# Altium PCB AutoinformerPCB.PcbDoc (part 2 of 3) (continued)
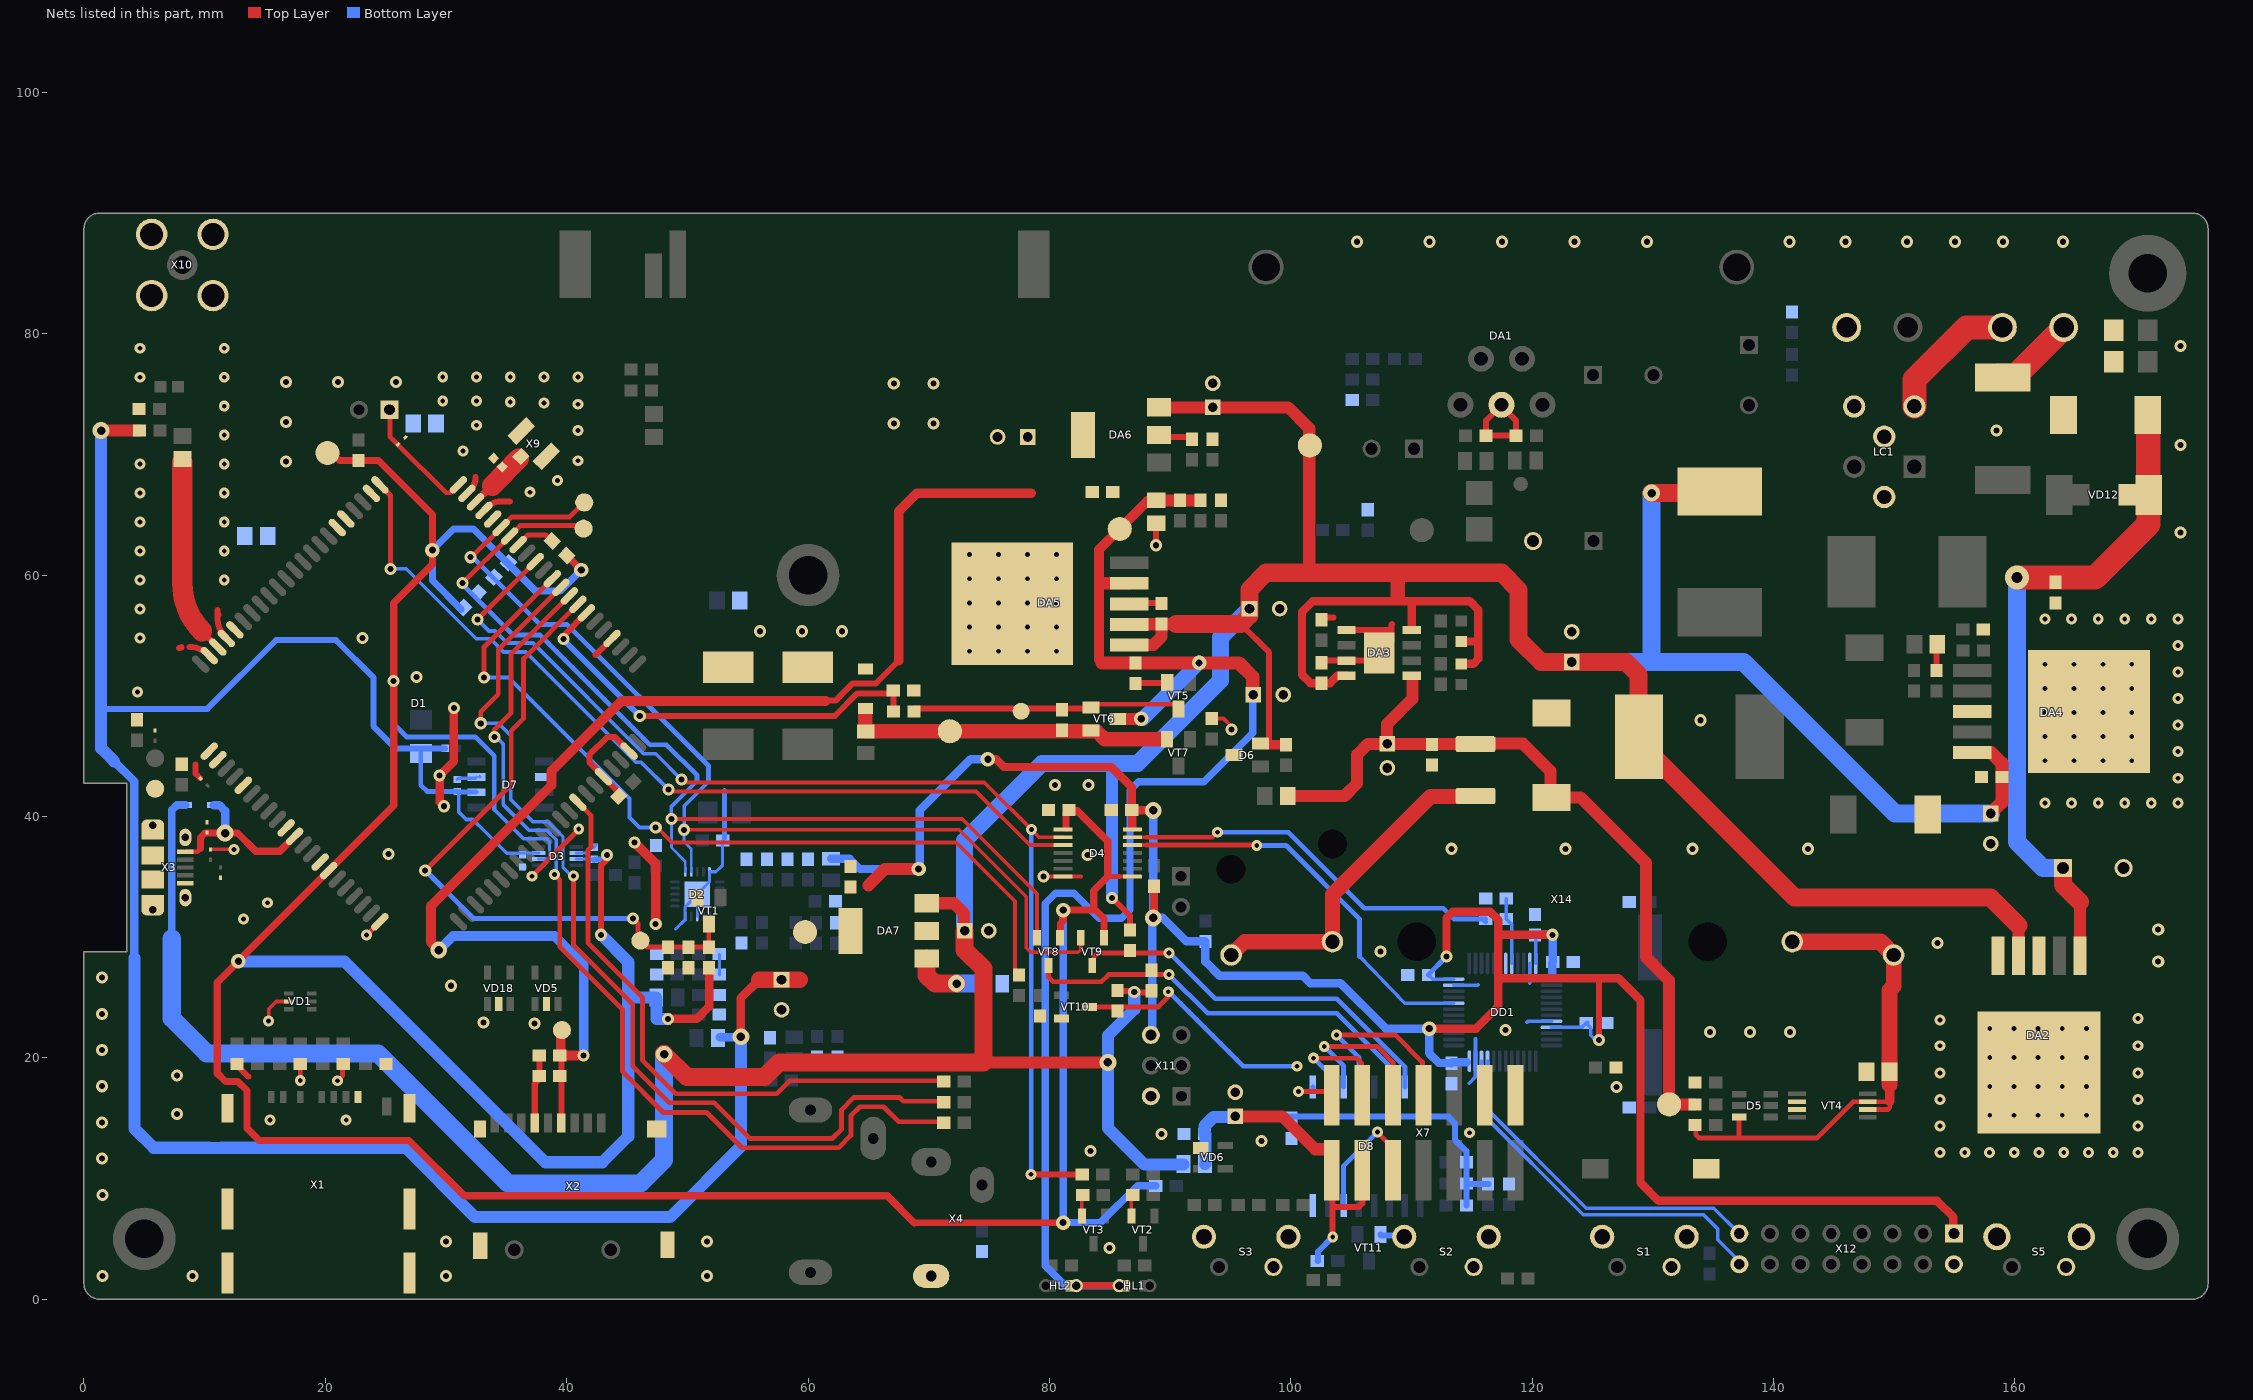
[diagram p2: the nets of this part, all layers, seen from the top]
## Part data (continued)
VD6: "TVS Diode-3 Рабочее напряжение 5.5 В / Максимальное напряжение фиксации 8.5 в", ComponentLink1Description=chipdip, ComponentLink1URL=https://www.chipdip.ru/product/sp0503bahtg, ComponentLink2Description=elitan, ComponentLink2URL=https://www.elitan.ru/price/item393293
VD7: "Стабилитрон 5.1В, 5%, 0.5Вт, [SOD-123]", ComponentLink1Description=chipdip, ComponentLink1URL=https://www.chipdip.ru/product/mmsz5231b-tp?from=suggest_product, ComponentLink2Description=elitan, ComponentLink2URL=https://www.elitan.ru/price/item685173
VD8 VD9 VD17: library part ESD9L5.0ST5G, "TVS диод защитный 5В_пиковое_рабочее 9.8В_ограничение SOD923", ComponentLink1Description=elitan, ComponentLink1URL=https://www.elitan.ru/price/item1205491, ComponentLink2Description=chipdip, ComponentLink2URL=https://www.chipdip.ru/product1/8002974897?from=suggest_product
VD10: "TVS диоды Подавители ЭСР / диоды для подавления переходных скачков напряжения ESD Protection Device", ComponentLink1Description=chipdip, ComponentLink1URL=https://www.chipdip.ru/product0/8001818635?from=suggest_product, ComponentLink2Description=elitan, ComponentLink2URL=https://www.elitan.ru/price/item11962267
VD11 VD16: "Schottky; DO-214AB; 3.0A IF; 0.75V; 60V; 100A IFRM; 10000V/us; 1000pF", ComponentLink1Description=elitan, ComponentLink1URL=https://www.elitan.ru/price/item499214, ComponentLink2Description=chipdip, ComponentLink2URL=https://www.chipdip.ru/product/ss36-e3-57t-2?from=suggest_product
VD12: "Диод Шоттки 5A 100V (SMC)", ComponentLink1Description=chipdip, ComponentLink1URL=https://www.chipdip.ru/product0/8002382677?from=suggest_product, ComponentLink2Description=elitan, ComponentLink2URL=https://www.elitan.ru/price/item24826922
VD13: "TVS Diode Bi-Directional SM15T39CA 69.7V, 1500W, SMC 2-Pin", ComponentLink1Description=chipdip, ComponentLink1URL=https://www.chipdip.ru/product/sm15t39ca?from=suggest_product, ComponentLink2Description=elitan, ComponentLink2URL=https://www.elitan.ru/price/item636974
VD14: "Диод Шоттки 3А 10В [SOD-323]", ComponentLink1Description=chipdip, ComponentLink1URL=https://www.chipdip.ru/product/bat60a?from=suggest_product, ComponentLink2Description=elitan, ComponentLink2URL=https://www.elitan.ru/price/item9533309
VD15: "Schottky; DO-214AB; 3.0A IF; 0.75V; 40V; 100A IFRM; 10000V/us; 1000pF", ComponentLink1Description=chipdip, ComponentLink1URL=https://www.chipdip.ru/product/ss34-5, ComponentLink2Description=elitan, ComponentLink2URL=https://www.elitan.ru/price/item9505516
VT1: "N-Channel MOSFET 60В 0.115А [SOT-23]", ComponentLink1Description=chipdip, ComponentLink1URL=https://www.chipdip.ru/product/2n7002-tp-reel-3000, ComponentLink2Description=elitan, ComponentLink2URL=https://www.elitan.ru/price/item484309
VT2 VT3: "Transistor, Npn, 0.1A, 50V, Vbe = 0.7V, hfe = 240 [ SOT23 ]", ComponentLink1Description=chipdip, ComponentLink1URL=https://www.chipdip.ru/product/bc850b?from=suggest_product, ComponentLink2Description=elitan, ComponentLink2URL=https://www.elitan.ru/price/item5642305
VT4: "20V 6A DUAL N-Channel MOSFET Transistor", Manufacturer_Name="SII Semiconductor", ComponentLink1Description=elitan, ComponentLink1URL=https://www.elitan.ru/price/item13487239, ComponentLink2Description=electronshik, ComponentLink2URL=https://www.electronshik.ru/item/FUXIN/FS8205A, Datasheet Link=http://www.ic-fortune.com/upload/Download/FS8205A-DS-12_EN.pdf, Height=1.2mm, Manufacturer_Part_Number=FS8205A
VT5 VT8 VT9 VT10: "MOSFET, N-канал, 0.2А, 50В, [SOT-23]", ComponentLink1Description=chipdip, ComponentLink1URL=https://www.chipdip.ru/product/bss138-7-f-diodes?from=suggest_product, ComponentLink2Description=elitan, ComponentLink2URL=https://www.elitan.ru/price/item305174
VT6 VT7: "P-Channel 20V 3.7A _Ta_ 1.3W _Ta_ Surface Mount/SOT-23", Package="SC-59 Infineon Technologies", Availability=Unavailable, ComponentLink1Description=chipdip, ComponentLink1URL=https://www.chipdip.ru/product/irlml6402tr?from=suggest_product, ComponentLink2Description=elitan, ComponentLink2URL=https://www.elitan.ru/price/item13518502, MF="Infineon Technologies", MP=IRLML6402, Price=None, SnapEDA_Link=https://www.snapeda.com/parts/IRLML6402/Infineon%20Technologies/view-part/2522811/?ref=snap
VT11: "MOSFET, N-канал 60В 1.9А [SOT-23]", ComponentLink1Description=chipdip, ComponentLink1URL=https://www.chipdip.ru/product/si2308bds-t1-ge3-vishay, ComponentLink2Description=electronshik, ComponentLink2URL=https://www.electronshik.ru/item/VISHAY/SI2308BDS-T1-GE3, ComponentLink3Description=elitan, ComponentLink3URL=https://www.elitan.ru/price/item668096
X1: library part microSIM_Holder_5039600696, "Соединители для карт памяти 1mm microSIM Push Push SMT", ComponentLink1Description=elitan, ComponentLink1URL=https://www.elitan.ru/price/item12310026
X2: library part microSD_112J-TDAR-R, "Разъем: для карт памяти; SD Micro; push-push; SMT; позолота", Manufacturer_Name=ATTEND, ComponentLink1Description=chipdir, ComponentLink1URL=https://www.chipdip.ru/product0/8002703228, ComponentLink2Description=elitan, ComponentLink2URL=https://www.elitan.ru/price/item10898530, Datasheet Link=https://sds.compel.ru/item-pdf/04106748b1d2c9285eaa335c34b51c16/ps/attend~112j-tdar-r.pdf, Height=1mm, Manufacturer_Part_Number=112J-TDAR-R
X3: library part microUSB_1050170001, "USB - micro B USB 2.0 Receptacle Connector 5 Position Surface Mount, Right Angle; Through Hole", Package=None, ComponentLink1Description=elitan, ComponentLink1URL=https://www.elitan.ru/price/item5116026, ComponentLink2Description=chipdip, ComponentLink2URL=https://www.chipdip.ru/product/105017-0001-molex?utm_source=google&utm_medium=cpc&position_type={position_type}|k50id|pla-293946777986|cid|11945324864|aid|488785225626|gid|115765259517&utm_campaign=G_tovarnieobjavlenija&utm_content=text1_ga&utm_term=, Digi-Key_Part_Number=WM1399CT-ND, Digi-Key_Purchase_URL=https://www.digikey.com/product-detail/en/molex/1050170001/WM1399CT-ND/2350885?utm_source=snapeda&utm_medium=aggregator&utm_campaign=symbol, MF=Molex, MP=1050170001, SnapEDA_Link=https://www.snapeda.com/parts/1050170001/Molex/view-part/2755530/?ref=snap
X4: library part "microJACK PY-401N", "Гнездо моно 2.5мм", ComponentLink1Description=elitan, ComponentLink1URL=https://www.elitan.ru/price/index.php?find=PY-401N&delay=-1&mfg=all&seenform=y, ComponentLink2Description=chipdip, ComponentLink2URL=https://www.chipdip.ru/product/py-401n
X5: library part "miniJACK PY-601N", "Аудио гнездо (М) 3.5мм", ComponentLink1Description=chipdip, ComponentLink1URL=https://www.chipdip.ru/product/py-601n?from=suggest_product, ComponentLink2Description=elitan, ComponentLink2URL=https://www.elitan.ru/price/index.php?find=PY-601N&delay=-1&mfg=all&seenform=y
X6 X13: "Вилка штыревая 2.54мм 1x2 прямая PLS-2", ComponentLink1Description=chipdip, ComponentLink1URL=https://www.chipdip.ru/product/pls-2, ComponentLink2Description=elitan, ComponentLink2URL=https://www.elitan.ru/price/item10669650
X7: library part DS1013-14S, "Вилка на плату прямая 14 конт. 2.54мм / ответная часть: DS1016-14MA2BB / или IDC-14F / шлейф DS1057-14A282R-30.5", ComponentLink1Description=smt-elitan, ComponentLink1URL=https://www.elitan.ru/price/item21920938, ComponentLink2Description=smt-electronshik, ComponentLink2URL=https://www.electronshik.ru/item/CONNFLY/DS1013-14MSIXA-B, ComponentLink3Description=smt-chipdip, ComponentLink3URL=https://www.chipdip.ru/product0/8160149550, ComponentLink4Description=IDC14-F-elitan, ComponentLink4URL=https://www.elitan.ru/price/item8570145, ComponentLink5Description=DS1016-14MA2BB-el, ComponentLink5URL=https://www.electronshik.ru/item/CONNFLY/DS1016-14MA2BB, ComponentLink6Description=шлейф-el, ComponentLink6URL=https://www.electronshik.ru/item/CONNFLY/DS1057-14A282R-30.5, ComponentLink7Description=шлейф-chipdip, ComponentLink7URL=https://www.chipdip.ru/product/ds1057-14-30
X8 X15: "Клеммник разъемный угловой 2 конт., шаг 5.08 мм / (KLS2-EDR-5.08-02P-4) / 2EDGK-5.08-02P - ответная часть", ComponentLink1Description=chipdip, ComponentLink1URL=https://www.chipdip.ru/product/kls2-edr-5.08-02p-4-2edgr-5.08-02p, ComponentLink2Description=elitan, ComponentLink2URL=https://www.elitan.ru/price/item21239767, ComponentLink3Description=ответная-часть, ComponentLink3URL=https://www.elitan.ru/price/item130957, ComponentLink4Description=на-кабель, ComponentLink4URL=https://www.chipdip.ru/product/kls2-edk-5.08-02p-4s-2esdv-02p?from=suggest_product
X9: "Разъем РЧ / 50 Ом Коаксиальный, UFL Коаксиальный, Прямое Гнездо, Вертикальный Поверхностный Монтаж SMT", ComponentLink1Description=elitan, ComponentLink1URL=https://www.elitan.ru/price/item1203541, ComponentLink2Description=chipdip, ComponentLink2URL=https://www.chipdip.ru/product0/9000586248?from=suggest_product
X10: library part SMA-connector, "Разъем угловой SMA гнездо на плату 50 Ом", ComponentLink1Description=platan-KLS1-SMA002-B, ComponentLink1URL=https://www.platan.ru/cgi-bin/qwery.pl/id=356964102, ComponentLink2Description=elitan-KLS1-SMA002, ComponentLink2URL=https://www.elitan.ru/price/item9893558
X11: library part DS1021_2x3, "Вилка штыревая 2.54мм 2x3 прямая тип1", ComponentLink1Description=chipdip, ComponentLink1URL=https://www.chipdip.ru/product/pld-6, ComponentLink2Description=electronshik, ComponentLink2URL=https://www.electronshik.ru/item/CONNFLY/DS1021-2x3SF11-B
X12: "Вилка штыревая 2.54мм 2х8 прямая PLD-16", ComponentLink1Description=chipdip, ComponentLink1URL=https://www.chipdip.ru/product/pld-16, ComponentLink2Description=elitan, ComponentLink2URL=https://www.elitan.ru/price/item14835380
X14: library part "Combo Battery Holder", "16340 2/3A [14500 AA] Battery Holder", ComponentLink1Description=keystone1029-elitan, ComponentLink1URL=https://www.elitan.ru/price/item468733, ComponentLink2Description=keystone1028-elitan, ComponentLink2URL=https://www.elitan.ru/price/item535632, ComponentLink3Description=batteryholders, ComponentLink3URL=https://www.batteryholders.com/search.php?cat=Battery+Holder&num=&type=CR123A&term=&override=16340
Y1: library part HC49SM, "8 MHz resonator", ComponentLink1Description=8MHz-chipdip, ComponentLink1URL=https://www.chipdip.ru/product/8mhz-hc-49sm, ComponentLink2Description=8MHz-elitan, ComponentLink2URL=https://www.elitan.ru/price/item2093968

## Via types
v1: diameter 0.9, hole 0.4, Top Layer to Bottom Layer, tented both sides, 141 vias
v2: diameter 1, hole 0.5, Top Layer to Bottom Layer, tented both sides, 110 vias
v3: diameter 1.2, hole 0.6, Top Layer to Bottom Layer, tented both sides, 14 vias
v4: diameter 1.4, hole 0.7, Top Layer to Bottom Layer, tented both sides, 10 vias
v5: diameter 2, hole 0.9, Top Layer to Bottom Layer, tented both sides, 1 vias

## Nets (pads, with @x,y where several pads share a name; then routed paths per layer and width w, separated by ;. In a path a pad name is that pad's centre, name@x,y a point inside that pad or via, vN(x,y) a via of type N, cw(c..) or ccw(c..) an arc to the next point about the centre after c; other vN are vias at no path point)
1V8: C33.2 C45.1 D1.15 D3.3 D3.6 D4.1 D4.8 IND3.1 R1.2 R18.1 R20.2 R21.2 R31.2 R35.1 TP2.1 VT8.1 VT9.1 | length 326.2
  Top Layer w0.32: 85.8,35.025 D4.8@86.87,35.025
  Top Layer w0.4: 84.825,35.025 85.8,35.025
  Top Layer w0.5: v2(42.85,30.2) 42.85,35.975 43.35,36.475 v2(43.35,36.8)
  Top Layer w0.6: TP2.1@20.175,70.125 20.554,70.125 21.179,69.5 R35.1@22.75,69.5 24.4,69.5 28.873,65.027 v3(28.873,62.078) 28.873,60.898 25.675,57.7 25.675,40.916 D1.15@20.278,35.518 12.8,28.041 v3(12.8,28) 11.05,26.25 11.05,18.725 11.725,18.05 12.75,18.05 13.5,17.3 13.5,14.175 14.525,13.15 26.925,13.15 31.5,8.575 66.55,8.575 68.8,6.325 v3(81.125,6.35) ; R31.2@40.001,61.624 v3(41.2,60.425) ; VT8.1@80.885,29.95 80.91,29.975 80.91,31.135 81.15,31.375 v3(81.15,32.25) 83.825,32.25 ; D4.1@81.378,39.075 81.378,40.275 81.578,40.475 82.3,40.475 84.825,37.95 84.825,35.025 83.675,33.875 83.675,32.4 83.825,32.25 ; VT9.1@84.51,29.95 84.525,29.965 84.525,31.55 83.825,32.25
  Top Layer w0.7: v2(48.4,23.225) 50.775,23.225 51.8,24.25 51.8,27.45 R18.1@51.775,27.475
  Bottom Layer w0.27: 36.425,38.15 38.35,38.15 38.57,37.93 38.57,36.645 38.4,36.475 D3.6@37.675,36.475 ; D3.3@40.775,36.475 C33.2@42.35,36.475
  Bottom Layer w0.3: 34,40.575 36.425,38.15
  Bottom Layer w0.4: v2(25.65,51.225) 25.65,47.675 26.725,46.6 32.425,46.6 34,45.025 34,40.575
  Bottom Layer w0.5: C33.2@42.275,36.4 42.325,36.45 43,36.45 v2(43.35,36.8)
  Bottom Layer w0.6: R20.2@31.249,57.174 28.873,59.55 v3(28.873,62.078) 30.62,63.825 32.277,63.825 37.427,58.675 39.45,58.675 v3(41.2,60.425) ; v3(81.125,6.35) v3@81.15,6.35 ; v3(81.15,32.25) v3@81.15,6.35 ; R1.2@88.8,9.4 87.289,9.405 84.206,6.34 v3@81.15,6.35
  Bottom Layer w1: v3(12.8,28) 21.575,28 38.225,11.35 42.95,11.35 45.1,13.5 45.1,25.025 ; v2(42.85,30.2) 45.1,27.95 45.1,25.025 ; IND3.1@47.41,25 45.125,25 45.1,25.025 ; IND3.1@47.425,24.785 47.425,23.225 v2(48.4,23.225)
3V: C1.2 C2.2 C75.1 C76.1 DA6.2 DA6.4 R67.2 TP13.1 X2.4 | length 109.5
  Top Layer w0.25: 39.45,19.3 39.55,19.4
  Top Layer w0.5: X2.4@39.55,14.7 C2.2@39.55,20.2 ; 61.475,49.6 62.275,49.6 62.625,49.95 63.7,51.025 65.625,51.025 67.525,52.925 ; DA6.2@89.262,71.438 91.637,71.438 R67.2@91.825,71.25
  Top Layer w0.8: v4(29.4,28.925) 28.75,29.575 28.75,32.6 38.74,42.59 38.74,43.78 44.535,49.575 61.475,49.575 ; C2.2@39.425,20.2 39.513,20.288 39.513,22.213 TP13.1@39.6,22.3 ; C2.2@39.45,20.3 39.35,20.2 39.3,20.2 39.55,20.2 v2(41.4,20.2) ; 67.525,52.925 67.525,65.3 69,66.775 78.475,66.775
  Bottom Layer w0.8: v4(29.4,28.925) 30.575,30.1 39,30.1 41.4,27.7 v2(41.4,20.2)
3V3: C46.2 C47.1 C48.1 C49.1 C52.1 C53.1 C74.1 C77.1 C80.1 C81.2 D3.7 D4.14 D7.2 DA7.2 DA7.4 DD1.1 DD1.9 DD1.24 DD1.36 DD1.48 IND2.1 IND4.1 R45.2 R46.1 R47.1 R71.1 R72.1 TP14.1 X11.6 X12.1 | length 393.5
  Top Layer w0.3: 125.525,26.6 125.525,26.65
  Top Layer w0.5: v2(125.525,21.475) 125.525,26.6
  Top Layer w0.7: v4(54.425,21.75) 54.425,24.95 55.95,26.475 ; v3(74.9,44.75) 75.575,44.75 76.225,44.1 85.125,44.1 86.825,42.4 C46.2@86.825,40.525 C46.2@86.848,40.502 ; 86.848,39.125 C46.2@86.848,40.502 ; C46.2@86.975,40.375 C46.2@86.875,40.475 ; v4(88.6,31.6) 88.662,31.662 88.662,34.062 R47.1@88.675,34.075 ; v4(88.6,40.5) 87.15,40.5 87.05,40.6 86.975,40.525 86.95,40.55 C46.2@86.875,40.475 ; v3(111.475,22.425) 115.35,22.425 117.175,24.25 117.175,31.45 116.525,32.1 113.4,32.1 112.9,31.6 v2(112.9,28.4) ; 117.2,26.6 125.525,26.6 127.15,26.6 128.975,24.775 128.975,9.65 130.475,8.15 153.55,8.15 154.9,6.8 154.9,5.48 X12.1@154.7,5.68 ; 117.2,30.2 v2(121.7,30.2) ; C46.2@86.848,40.502 C46.2@86.875,40.475
  Top Layer w1: v4(1.425,71.975) R45.2@4.6,71.975 ; 65,34.3 66.35,35.65 v3(69.15,35.65)
  Top Layer w1.4: 55.95,26.475 C74.1@57.8,26.475 59.275,26.475
  Bottom Layer w0.27: C81.2@30.925,42.075 C81.2@30.96,42.04 ; D7.2@32.49,42.04 D7.2@32.525,42.005 ; 36.01,36.975 D3.7@37.675,36.975
  Bottom Layer w0.3: C81.2@31.05,41.85 31.05,40.375 31.675,39.75 32.225,39.75 33.288,38.687 35.025,36.95 36.01,36.95 ; C48.1@111.4,26.875 111.75,26.525 DD1.36@113.5,26.525 ; DD1.48@120.3,27.825 C47.1@120.3,30.175 ; DD1.9@121.6,22.525 124.125,22.525 124.55,22.95 C53.1@124.6,22.95 ; C53.1@124.475,22.875 124.85,22.5 124.85,21.875 125.25,21.475 v2(125.525,21.475)
  Bottom Layer w0.4: R72.1@27.9,45.65 27.9,42.6 28.425,42.075 C81.2@30.925,42.075 ; C81.2@30.96,42.04 D7.2@32.49,42.04 ; C48.1@111.4,26.875 111.4,26.9 v2(112.9,28.4)
  Bottom Layer w0.5: 1.425,48.925 10.225,48.925 15.925,54.625 20.875,54.625 23.975,51.525 23.975,47.475 25.8,45.65 27.9,45.65 R71.1@29.925,45.65
  Bottom Layer w0.7: 2.5,44.575 4.175,42.9 4.175,28.275 ; IND2.1@52.69,21.7 52.715,21.725 v4@54.4,21.725 ; IND4.1@61.9,36.49 63.435,36.49 64.275,35.65 v3(69.15,35.65) ; v3@69.262,35.6 69.262,40.537 73.475,44.75 v3(74.9,44.75) ; X11.6@88.4,21.9 88.5,22 88.5,31.5 v4(88.6,31.6) ; v4(88.6,40.5) v4(88.6,31.6) ; R46.1@92.9,29.625 R46.1@92.925,29.65 92.925,27.975 94.1,26.8 101,26.8 101.6,26.2 104.1,26.2 107.875,22.425 v3(111.475,22.425) 111.475,20.375 112.275,19.575 113.275,19.575 C52.1@113.3,19.55 113.387,19.637 114.6,19.637 ; R46.1@92.925,29.675 91.325,29.675 89.4,31.6 v4(88.6,31.6) ; C47.1@120.325,30.175 120.35,30.2 v2(121.7,30.2) C49.1@121.7,27.95 121.65,27.9 121.65,26.725
  Bottom Layer w1: v4(1.425,71.975) 1.425,48.925 1.425,45.65 2.5,44.575 ; 4.175,28.275 4.175,14.15 5.775,12.55 10.353,12.55 10.378,12.525 11.372,12.525 11.397,12.55 26.65,12.55 32.4,6.8 48.575,6.8 54.425,12.65 54.425,21.7 v4@54.4,21.725
3V8_BAK: IND6.2 R64.1 TP15.1 VD7.C VT6.2 VT7.2 | length 27
  Top Layer w1: VD7.C@64.75,48.825 VD7.C@64.76,48.815 ; IND6.2@64.775,47.07 IND6.2@64.775,47.025 ; IND6.2@64.775,47.025 64.775,46.975 64.795,46.995 64.795,47.025 IND6.2@64.775,47.025
  Top Layer w1.2: IND6.2@64.75,47.085 VD7.C@64.75,48.815 ; IND6.2@64.76,47.085 IND6.2@64.775,47.07 ; IND6.2@64.82,47.07 71.745,47.07 TP15.1@71.75,47.065 ; TP15.1@71.75,47.125 71.795,47.08 83.895,47.08 84.575,46.4 VT7.2@89.61,46.4
3V8_EXT: C67.1 C69.1 C71.1 DA5.4 HL1.1 HL2.1 R59.2 R61.2 TP11.1 VT6.3 | length 119.9
  Top Layer w0.6: HL2.1@81.8,1.125 81.813,1.138 HL1.1@86.175,1.138 ; HL1.1@86.175,1.15 HL1.1@86.2,1.125
  Top Layer w0.8: 84.355,52.72 84.1,52.975 84.1,62.125 88.125,66.15 88.75,66.15 R61.2@88.9,66 ; R61.2@88.9,66.2 R61.2@89.1,66.2
  Top Layer w1: 84.475,59.325 DA5.4@86.611,59.325 ; VT6.3@85.655,48.09 v3(87.616,48.09) ; R61.2@89.1,66.2 C67.1@92.4,66.2
  Top Layer w1.1: 84.355,52.72 95.705,52.72 96.85,51.575 C69.1@96.85,50.25
  Bottom Layer w0.6: HL1.1@85.78,1.125 81.3,1.125 79.65,2.775 79.65,32.8 80.5,33.65 82.025,33.65 84.1,31.575 85.975,31.575 86.675,32.275 86.675,42.175 87.375,42.875 92.8,42.875 96.85,46.925 96.85,50.2 C69.1@96.7,50.35
  Bottom Layer w1.2: v3(87.616,48.09) 87.715,48.09 v3@92.375,52.75
  other v3: 92.4,52.725
3V8_INT: C64.1 C65.1 DA3.5 F2.1 R56.1 R66.2 TP9.1 VD15.2 | length 68.1
  Top Layer w1: R66.2@99.75,41.7 104.45,41.7 105.5,42.75 105.5,45.125 106.4,46.025 C65.1@108,46.025 ; DA3.5@110.075,51.425 110.075,49.75 107.975,47.65 107.975,46.1 108.075,46 C64.1@111.5,46 ; C64.1@111.5,45.975 C64.1@111.5,46 ; F2.1@115.3,46 115.35,46.05 119.225,46.05 121.5,43.775 121.5,41.95 121.125,41.575 VD15.2@121.6,41.575 124.025,41.575 129.425,36.175 129.425,28.325 131.35,26.4 TP9.1@131.35,16.15 R56.1@133.5,16.15 ; F2.1@115.3,46.025 111.5,46.025 C64.1@111.5,46
5V: C57.2 C58.1 C60.1 C62.1 C63.1 C68.1 C72.1 C73.1 D6.2 DA2.4 DA3.4 DA3.8 DA4.5 DA5.1 DA5.2 DA6.3 DA7.3 HL3.1 HL4.1 IND9.1 L2.2 L3.1 R29.1 R39.2 R62.2 R75.2 TP8.1 VD14.2 | length 449.6
  Top Layer w0.3: C57.2@102.52,51.195 C57.2@102.525,51.2
  Top Layer w0.5: v2(85.2,33.25) 86.675,31.775 R39.2@86.675,30.6 ; R75.2@85.625,25.575 85.675,25.525 86.975,25.525 v2(87.025,25.475) 87.075,25.425 88.4,25.425 R29.1@88.45,25.375 ; 95.85,55.95 98.2,53.6 98.2,45.995 D6.2@98.2,45.95 ; D6.2@97.5,46.04 D6.2@97.7,46.04 ; C57.2@102.465,51.25 C57.2@102.52,51.195 ; DA3.8@110.025,55.467 DA3.8@110.108,55.55 ; 115.475,54.5 115.525,54.45
  Top Layer w0.7: DA3.4@104.613,51.645 103.845,51.645 103.25,51.05 C57.2@102.525,51.05 101.625,51.05 100.925,51.75 100.925,56.95 101.825,57.85 110.037,57.85 ; DA3.8@110.108,55.55 110.037,55.55 110.037,57.85 ; HL4.1@114.125,54.5 115.475,54.5 ; HL3.1@114.575,52.65 115.125,52.65 115.525,53.05 115.525,54.45 115.525,57.15 114.825,57.85 110.037,57.85
  Top Layer w0.8: D6.2@97.5,46.04 97.545,45.995 D6.2@98.2,45.995 ; D6.2@98.2,45.95 R62.2@99.6,45.95
  Top Layer w1: DA7.3@69.825,32.811 72.089,32.811 72.925,31.975 72.925,30.575 C73.1@72.975,30.525 ; 74.525,19.625 v4(84.838,19.625) ; DA5.1@86.611,54.219 86.619,54.227 88.617,54.227 89.3,54.911 C63.1@89.3,55.929 ; DA5.2@86.611,55.921 86.619,55.929 C63.1@89.3,55.929 ; DA6.3@89.075,73.911 89.08,73.906 93.519,73.906 C72.1@93.525,73.9 99.775,73.9 101.525,72.15 101.525,60.2 ; 90.5,55.95 C63.1@89.3,55.95 C63.1@89.3,55.929 ; DA4.5@156.45,45.293 DA4.5@158.043,45.293 ; 160.288,30.962 160.288,28.483 DA2.4@160.296,28.475
  Top Layer w1.1: C60.1@158,40.25 158.925,41.175 C68.1@158.925,43.275 158.925,44.411 DA4.5@158.043,45.293
  Top Layer w1.2: 108.875,58.125 108.875,60.15
  Top Layer w1.5: v4(48.075,20.3) 49.975,18.4 56.375,18.4 57.6,19.625 74.525,19.625 74.525,27.4 72.975,28.95 C73.1@72.975,30.525 ; 90.5,55.95 95.85,55.95 96.575,56.675 C62.1@96.575,57.225 96.575,58.825 97.95,60.2 101.525,60.2 117.45,60.2 118.875,58.775 118.875,54.675 120.75,52.8 C58.1@123.275,52.8 127.775,52.8 128.8,51.775 128.8,47.675 129,47.475 129,46 141.725,33.275 157.975,33.275 160.288,30.962 ; v4(129.9,66.8) 135.425,66.8 L3.1@135.55,66.925
  Bottom Layer w0.65: 7.275,29.875 7.275,40.525 7.7,40.95 VD14.2@8.41,40.95
  Bottom Layer w1: v2(85.2,33.25) 85.2,44.4 ; v2(87.025,25.475) 87.025,24.025 84.838,21.838 v4(84.838,19.625) 84.838,14.188 87.875,11.15 IND9.1@91.11,11.15
  Bottom Layer w1.4: C73.1@72.975,30.525 72.975,38 79.375,44.4 85.2,44.4 87.3,44.4 94.175,51.275 94.175,54.825 C62.1@96.575,57.225
  Bottom Layer w1.5: 7.275,29.875 7.275,23.275 10.175,20.375 24.35,20.375 35.15,9.575 46.1,9.575 48.075,11.55 v4(48.075,20.3) ; C58.1@123.275,52.8 129.9,52.8 ; v4(129.9,66.8) 129.9,52.8 ; C60.1@158,40.25 150.075,40.25 137.525,52.8 129.9,52.8
5V_I2C_SCL: D8.14 R29.2 VT8.3 | length 34.6
  Top Layer w0.32: 82.1,26.3 82.125,26.275
  Top Layer w0.4: VT8.3@79.925,27.65 79.925,26.675 80.3,26.3 82.1,26.3 84.3,26.3 84.9,26.9 v1(89.9,26.9)
  Bottom Layer w0.4: v1(89.9,26.9) 93.1,23.7 103.8,23.7 108.18,19.32 D8.14@108.18,17.575
5V_I2C_SDA: D8.15 R39.1 VT9.3 | length 32.3
  Top Layer w0.4: VT9.3@83.55,27.65 83.675,27.775 83.675,28.35 84.025,28.7 v1(89.9,28.7) v1@89.938,28.7
  Bottom Layer w0.4: v1@89.938,28.7 93.738,24.9 103.8,24.9 109.45,19.25 D8.15@109.45,17.575
5V_LCD: C78.1 C79.2 C82.1 D8.16 IND9.2 R79.2 R80.2 R81.2 R82.1 R83.2 X7.1 X7.3 | length 59.9
  Top Layer w0.5: X7.1@103.4,10.68 103.472,10.608 v1(103.472,5.17) ; 103.675,7.65 105.625,7.65 105.925,7.95 X7.3@105.925,10.695
  Top Layer w1: C78.1@95.4,15.15 99.3,15.15 102.025,12.425 103.23,12.425 103.38,12.275 X7.1@103.38,10.7 X7.1@103.4,10.68 ; X7.3@105.92,10.7 X7.3@105.925,10.695
  Bottom Layer w0.4: 110.72,15.125 D8.16@110.72,17.575
  Bottom Layer w0.5: C78.1@95.163,15.063 95.225,15.125 100.05,15.125 110.72,15.125 113.05,15.125 113.6,14.575 113.6,13.225 114.55,12.275 R81.2@114.55,11.35 R80.2@114.55,9.575 ; R82.1@102.2,3.185 102.25,3.185 102.25,3.948 v1(103.472,5.17) ; R79.2@114.55,7.775 R80.2@114.55,9.575 ; R83.2@116.375,9.55 116.363,9.563 114.563,9.563 R80.2@114.55,9.575
  Bottom Layer w1: C79.2@92.85,13.7 92.85,14.35 93.6,15.1 C78.1@95.125,15.1 ; IND9.2@92.89,11.2 92.92,11.23 C79.2@92.92,13.7
5V_USB: D1.11 VD3.2 VD14.1 X3.1 | length 14.4
  Top Layer w0.35: X3.1@8.4,37.075 9.375,37.075
  Top Layer w0.4: 9.375,37.075 9.65,37.35
  Top Layer w0.5: D1.11@17.447,38.347 D1.11@17.449,38.347
  Top Layer w0.6: 9.65,37.35 9.65,38.25 10.025,38.625 v4(11.7,38.625) 12.725,38.625 14.225,37.125 16.227,37.125 D1.11@17.449,38.347
  Bottom Layer w0.7: VD14.1@10.74,40.95 11.22,40.95 11.7,40.47 v4(11.7,38.625)
+U: F1.1 X15.2 | length 7.3
  Top Layer w2: F1.1@158.475,76.375 158.625,76.525 160.04,76.525 X15.2@164.04,80.525
+U_VD: C56.1 C59.1 DA2.1 VD12.C VD13.2 | length 57.2
  Top Layer w1: DA2.1@165.402,28.475 165.402,32.927 ; VD13.2@171.025,73.25 VD13.2@171.025,74.25 ; VD12.C@171.05,67.675 VD12.C@171.075,67.65
  Top Layer w1.5: C56.1@164,35.725 164,34.329 165.402,32.927
  Top Layer w2: v5(160.175,59.8) 166.65,59.8 171.075,64.225 VD12.C@171.075,66.65 VD12.C@171.075,67.65 ; VD13.2@171.025,73.25 171.05,73.225 VD12.C@171.05,67.675
  Bottom Layer w1.5: v5(160.175,59.8) 160.175,37.875 162.325,35.725 C56.1@164,35.725
-U: LC1.3 X15.1 | length 11.3
  Top Layer w2: LC1.3@151.675,73.975 151.675,76.2 156,80.525 X15.1@158.96,80.525
ADC1: C10.1 D1.47 R18.2 R19.1 TP1.1 VT1.3 | length 56.1
  Top Layer w0.4: v2(28.275,35.525) 35.4,42.65 35.4,47.1 36.425,48.125 36.425,53.08 D1.47@40.925,57.58 ; v2(45.486,31.554) 45.902,31.138 45.902,29.923 TP1.1@46.113,29.713 46.65,29.175 C10.1@48.375,29.175 R18.2@51.775,29.175 51.775,31.1 VT1.3@51.775,31.125
  Bottom Layer w0.4: v2(28.275,35.525) 28.3,35.525 32.271,31.554 v2(45.486,31.554)
ADC2: D1.46 R33.1 R34.2 | length 35.6
  Top Layer w0.5: v2(39.75,54.7) 39.75,54.991 D1.46@41.632,56.873 ; v2(46.05,48.325) 62.215,48.325 64.09,50.2 66.8,50.2 R34.2@67.05,50.45 67.062,50.437 67.062,48.712 R33.1@67.075,48.7
  Bottom Layer w0.5: v2(39.75,54.7) 39.75,54.625 v2(46.05,48.325)
AGND: C4.2 C6.1 C8.2 C11.2 C12.2 C13.2 C14.2 C15.2 C16.2 C17.2 C18.2 C19.2 C20.2 C21.1 C24.1 C28.1 C29.1 C32.2 C33.1 C34.2 C80.2 C81.1 D2.3 D2.5 D2.15 D2.21 D3.2 D7.3 D7.6 DA1.3 IND5.1 R2.1 R26.2 R42.2 R43.2 R70.2 X4.1 X8.1 | length 52.7
  Top Layer w0.4: v1(37.125,35.05) 41,38.925 v1(41,38.975)
  Top Layer w0.5: DA1.3@117.45,74.115 DA1.3@117.45,74.075 ; DA1.3@117.45,74.075 117.45,74.025 118.65,72.825 118.65,71.65 118.575,71.575 116.2,71.575 C32.2@116.175,71.55 116.175,72.8 DA1.3@117.45,74.075
  Top Layer w0.7: v2(29.825,40.85) 29.475,41.2 v2(29.475,43.4) 30.65,44.575 v2(30.65,48.975)
  Top Layer w0.8: v2(45.625,37.85) 47.375,36.1 v2(47.375,31.075)
  Bottom Layer w0.25: 49.02,30.67 49.046,30.67 49.82,31.444 49.82,32.52 D2.21@50.82,33.52 ; D2.3@50.82,31.719 D2.21@50.82,33.52 ; C19.2@52.67,26.87 C14.2@52.67,28.57 ; C29.1@52.92,38 52.92,35.97 52.371,35.421 D2.15@51.82,35.421 51.82,34.57 D2.21@50.82,33.57 D2.21@50.82,33.52 ; C29.1@52.925,38 C29.1@53.075,38.15 ; C8.2@60.75,20.075 C6.1@62.45,20.075
  Bottom Layer w0.27: C81.1@30.925,43.075 31.025,43.175 32.425,43.175 D7.3@32.525,43.275 ; D7.3@32.79,43.285 D7.3@32.8,43.275 ; D3.2@40.775,36.975 41.6,36.975 42.085,37.46 42.235,37.46 C33.1@42.4,37.625
  Bottom Layer w0.4: v1@37.05,35.125 v1(37.125,35.05) ; C29.1@53.075,38.15 53.075,42.175
AUX_ANT: D1.59 VD10.2 X9.1 | length 4.8
  Top Layer w0.6: D1.59@32.44,66.065 33.662,67.288
  Top Layer w1.697: 33.825,67.425 X9.1@36.013,69.638
AUX_GND: D1.58 D1.60 R23.2 VD10.1 X9.2 X9.3 | length 4
  Top Layer w0.5: D1.60@31.733,66.773 31.983,67.023 ccw(c30.856,68.15) 32.45,68.15 ; D1.58@33.147,65.331 D1.58@33.147,65.358 33.465,65.677 cw(c34.488,64.654) 34.488,66.1 35.3,66.1
  other v1: 36.95,66.875 39.225,67.837 40.925,69.475 31.4,70.275 40.925,71.975 32.525,72.425 40.925,74.162 38.125,74.268 35.325,74.333 29.725,74.425 32.525,74.425 29.725,76.425 32.525,76.425 35.325,76.425 38.125,76.425 40.925,76.425
BAK_ON: R33.2 R64.2 TP12.1 VT5.3 VT6.1 | length 22.4
  Top Layer w0.381: VT6.1@83.455,49.3 90.566,49.3 90.7,49.166 VT5.3@90.7,48.75
  Top Layer w0.5: R33.2@68.775,48.95 VT6.1@83.455,48.95
BAT+: F2.2 X14.POS | length 27.9
  Top Layer w1.25: X14.POS@95.05,28.525 96.15,29.625 X14.POS@103.45,29.625 103.45,33.525 111.58,41.655 F2.2@115.255,41.655
BAT-: C61.2 D5.6 R68.1 VT4.2 VT4.3 X14.NEG | length 43.5
  Top Layer w0.38: 146.6,16.375 VT4.3@147.813,16.375 149.6,16.375 ; VT4.2@147.813,15.725 149.475,15.725
  Top Layer w0.4: C61.2@133.5,14.45 133.55,14.4 133.55,13.65 133.85,13.35 143.575,13.35 146.6,16.375 ; 137.15,13.4 D5.6@137.15,15.1 ; 149.475,15.725 149.625,15.875 149.625,16.4 149.6,16.375
  Top Layer w0.8: 149.625,16.4 149.625,17.74
  Top Layer w1.3: 149.6,17.765 149.6,25.6 149.95,25.95 X14.NEG@149.95,28.525
  Top Layer w1.4: X14.NEG@141.55,29.625 148.85,29.625 X14.NEG@149.95,28.525
BOOT: D1.85 VD9.2 X6.1 | length 10.1
  Top Layer w0.4: X6.1@25.35,73.7 25.35,71.857 25.35,71.475 25.813,71.013 25.975,70.85 30,66.825 30.371,66.825 D1.85@31.026,67.48
BOOT0: DD1.44 R48.1 R49.1 | length 5.6
  Bottom Layer w0.3: R48.1@117.85,33.2 R49.1@117.85,31.5 118.3,31.05 DD1.44@118.3,27.825
FLIGHT: D1.54 R31.1 | length 3.3
  Top Layer w0.4: D1.54@35.976,62.53 36.771,63.325 38.25,63.325 R31.1@38.774,62.801
GND: C1.1 C2.1 C3.2 C5.2 C7.2 C9.2 C10.2 C25.2 C26.2 C27.2 C35.2 C45.2 C46.1 C47.2 C48.2 C49.2 C50.1 C51.1 C52.2 C53.2 C54.2 C55.2 C56.2 C57.1 C58.2 C59.2 C60.2 C62.2 C63.2 C64.2 C65.2 C66.2 C68.2 C69.2 C70.2 C71.2 C72.2 C73.2 C74.2 C75.2 C76.2 C77.2 C78.2 C79.1 C82.2 D1.1 D1.2 D1.5 D1.10 D1.14 D1.37 D1.40 D1.43 D1.57 D1.61 D1.64 D1.65 D1.77 D1.81 D4.7 D6.3 D8.8 DA2.3 DA2.5 DA2.6 DA3.1 DA3.3 DA3.9 DA4.3 DA4.6 DA5.3 DA5.6 DA7.1 DD1.8 DD1.23 DD1.35 DD1.47 IND5.2 LC1.4 LC1.5 LC1.6 R19.2 R22.1 R23.1 R24.1 R28.1 R32.2 R34.1 R38.1 R48.2 R50.2 R54.1 R55.2 R58.1 R60.1 R61.1 R63.2 R65.1 R68.2 R74.1 R77.1 R84.2 S1.2 S1.SH S2.2 S2.SH S3.2 S3.SH S4.2 S5.2 S5.SH TP7.1 VD1.2 VD2.1 VD3.1 VD4.1 VD5.2 VD6.1 VD7.A VD8.1 VD9.1 VD11.1 VD13.1 VD15.1 VD17.1 VD18.2 VT1.2 VT2.2 VT3.2 VT4.6 VT4.7 VT5.2 VT10.2 VT11.2 X1.C5 X1.SHLD X2.6 X2.10 X2.11 X2.12 X2.13 X3.5 X3.SH1 X3.SH2 X3.SH4 X3.SH5 X3.SH6 X3.SH7 X7.12 X7.14 X11.2 X12.2 | length 77.9
  Top Layer w0.3: VD2.1@10.575,37.275 v1(12.425,37.275) v1@12.423,37.273 ; C7.2@12.575,19.6 C7.2@12.675,19.5 C7.2@12.675,19.4 ; v1(15.3,23.05) 15.3,24.05 15.925,24.675 VD1.2@16.975,24.675 ; v2(79.5,35.025) D4.7@81.13,35.025 82.625,35.025 82.65,35 ; VT3.2@82.69,6.8 VT3.2@82.69,6.9 82.69,8.565 R38.1@82.75,8.625 ; VT2.2@86.79,6.725 VT2.2@86.79,6.9 86.79,8.515 R28.1@86.9,8.625 ; R61.1@88.825,64.275 R61.1@88.85,64.3 ; R63.2@93.45,48.125 94.425,48.125 95.075,47.475 v2(95.075,47.2) ; R54.1@102.525,56.3 102.725,56.5 R54.1@102.775,56.55 ; DA3.1@104.37,55.455 DA3.1@104.613,55.455
  Top Layer w0.4: v1(17.925,18.125) C9.2@17.925,19.5 ; v1(21,18.1) 21.425,18.525 21.425,19.5 C5.2@21.475,19.5 ; v1@23.373,30.153 23.373,30.141 24.508,31.276 D1.81@24.52,31.276
  Top Layer w0.5: 9.25,44.3 9.25,43.55 VD17.1@9.613,43.188 ; C7.2@12.675,19.4 13.625,18.45 ; X2.6@37.35,14.575 X2.6@37.35,14.6 37.35,17.85 37.725,18.225 C1.1@37.725,18.5 37.725,20.075 C2.1@37.6,20.2 ; 42.4,53.375 42.4,53.387 43.754,54.74 D1.43@43.754,54.752 ; D1.37@43.047,43.297 43.047,43.27 44.374,41.942 C25.2@44.374,41.749 ; D1.37@43.047,43.324 41.873,44.497 41.873,45.103 43.348,46.578 44.008,46.578 D1.40@45.168,45.418 ; DA5.3@86.805,57.675 89.125,57.675 C63.2@89.3,57.5 ; DA5.3@86.867,57.878 DA5.3@86.872,57.873 ; C71.2@87.125,51.025 87.163,51.062 89.723,51.062 VT5.2@89.76,51.1 ; v2(88.825,62.475) R61.1@88.825,64.275 ; C57.1@102.525,52.9 102.533,52.908 104.606,52.908 DA3.3@104.613,52.915 106.69,52.915 DA3.9@107.15,53.425 ; R54.1@102.55,56.5 102.725,56.5 103.55,56.5 ; DA3.1@104.613,55.455 108.332,55.455 ; DA3.9@107.325,53.55 108.332,54.556 108.332,55.455 ; 108.375,55.95 108.332,55.906 108.332,55.455 ; R58.1@153.5,52.1 153.5,54.3 R77.1@153.575,54.375 ; DA4.3@156.448,48.698 DA4.3@156.45,48.696
  Top Layer w1.5: DA7.1@69.825,28.239 69.825,26.825 70.5,26.15 v4(72.3,26.15)
  Bottom Layer w0.3: DD1.35@113.5,26.025 115.5,26.025 115.525,26.05 ; 114.775,17.9 115.3,18.425 DD1.23@115.3,19.725 115.3,21.575 ; 119.575,22.95 119.65,23.025 DD1.8@121.6,23.025 ; 119.8,26.2 DD1.47@119.8,27.825
  Bottom Layer w0.5: VT11.2@107.415,5.35 107.503,5.263 109.313,5.263 S2.SH@109.4,5.175
  Bottom Layer w1.5: v4(72.3,26.15) IND5.2@74.075,26.15
  other v1: 153.8,12.15 155.85,12.15 157.9,12.15 159.95,12.15 162,12.15 164.05,12.15 166.1,12.15 168.15,12.15 170.2,12.15 114.8,13.8 153.8,14.35 170.2,14.35 15.4,14.85 21.725,14.85 153.8,16.55 170.2,16.55 153.8,18.75 170.2,18.75 153.8,21 170.2,21 153.8,23.15 170.2,23.25 23.398,30.178 13.225,31.5 15.2,32.85 162.5,41.125 164.7,41.125 166.9,41.125 169.1,41.125 171.3,41.125 173.5,41.125 173.5,43.175 173.5,45.375 173.5,47.575 173.5,49.775 4.425,50.325 173.5,51.975 173.5,54.175 162.5,56.375 164.7,56.375 166.9,56.375 169.1,56.375 171.3,56.375 173.5,56.375
  other v2: 1.525,1.925 8.975,1.925 30,1.925 51.625,1.925 84.975,4.25 30,4.8 51.625,4.8 1.525,8.65 1.5,11.65 83.4,12.3 97.575,13.1 89.3,13.7 1.5,14.65 7.69,15.337 127,17.6 1.5,17.65 7.69,18.535 1.5,20.65 134.75,22.15 138.05,22.15 141.35,22.15 117.8,22.3 37.325,22.85 33.1,22.925 1.5,23.65 30.4,25.975 1.5,26.65 171.875,28 107.425,28.825 153.6,29.525 171.875,30.65 83.15,36.8 25.25,36.875 113.3,37.325 122.775,37.325 133.275,37.325 142.85,37.325 80.45,42.625 83.25,42.625 133.95,47.975 27.55,51.55 23.075,54.775 56,55.35 59.5,55.35 62.8,55.35 173.725,63.55 16.75,69.4 173.725,70.8 158.475,71.975 67.1,72.575 70.4,72.575 16.75,72.7 67.1,75.875 70.4,75.875 16.75,76 21.05,76 25.85,76 173.725,79 105.5,87.625 111.5,87.625 117.5,87.625 123.5,87.625 129.5,87.625 141.325,87.625 145.975,87.625 151.075,87.625 155.025,87.625 159.025,87.625 163.975,87.625
GNSS_ANT: C41.2 D1.79 | length 16.3
  Top Layer w0.5: 9.764,55.366 D1.79@11.085,54.045
  Top Layer w1.698: C41.2@8.15,69.375 8.15,59.75 8.15,59.263 ccw(c13.613,59.263) 9.75,55.4 ccw(c9.798,55.4) 9.764,55.366
GNSS_GND: C44.1 D1.78 D1.80 R24.2 X10.G | length 4.8
  Top Layer w0.5: 7.875,53.95 8,53.95 8.075,54.025 ; 8.726,54.05 cw(c8.726,51.782) 10.33,53.386 D1.80@10.378,53.337 D1.80@10.351,53.337 ; 11.05,57.125 11.05,56.544 ccw(c13.585,56.544) D1.78@11.792,54.752 D1.78@11.792,54.779 ; 11.1,56.65 11.15,56.7 11.15,56.75
  other v1: 4.65,54.8 4.65,57.2 4.65,59.6 11.625,59.6 4.65,62 11.625,62 4.65,64.4 11.625,64.4 4.65,66.8 11.625,66.8 4.65,69.2 11.625,69.2 11.625,71.6 11.625,74 4.65,76.4 11.625,76.4 4.65,78.8 11.625,78.8
GPIO6: D1.34 R9.1 | length 50.4
  Top Layer w0.4: D1.34@40.925,41.175 42.025,40.076 42.025,37.473 41.75,37.198 41.75,29.55 46.275,25.025 46.275,19.8 49.05,17.025 57.4,17.025 58.475,18.1 R9.1@71.25,18.1
GPIO26: D1.48 R13.1 | length 79.6
  Top Layer w0.4: v2(34,46.575) 34,47.175 35.375,48.55 35.375,53.444 D1.48@40.218,58.287 ; v1(38.975,35.2) 39.425,34.75 39.425,29.2 44.625,24 44.625,18.85 48,15.475 51.6,15.475 54.525,12.55 62.525,12.55 63.55,13.575 63.55,15.2 64.3,15.95 66.25,15.95 67.5,14.7 R13.1@71.25,14.7
  Bottom Layer w0.27: 38.65,38.55 39.125,38.075 39.125,35.35 v1(38.975,35.2)
  Bottom Layer w0.3: v2(34,46.575) 34.178,46.575 34.725,46.028 34.725,41 36.85,38.875 38.325,38.875 38.65,38.55
GPIO41: D1.52 D4.2 R36.1 | length 95.6
  Top Layer w0.32: v2(49.525,43.05) 49.75,42.825 74.6,42.825 v1(78.5,38.925) 79.15,38.275 D4.2@81.13,38.275
  Top Layer w0.4: v2(32.6,56.326) D1.52@37.39,61.116 ; v1(78.475,10.35) v1@78.488,10.338 ; R36.1@82.713,10.338 R36.1@82.725,10.325
  Top Layer w0.5: v1@78.488,10.338 R36.1@82.713,10.338
  Bottom Layer w0.32: v2(32.6,56.326) 33.551,55.375 34.075,55.375 35.075,54.375 37.2,54.375 46.375,45.2 47.375,45.2 v2(49.525,43.05)
  Bottom Layer w0.4: v1@78.475,10.4 78.488,10.413 78.488,38.913 v1(78.5,38.925)
GPIO41_3V3: D4.13 R49.2 | length 32.8
  Top Layer w0.32: D4.13@86.87,38.275 88.025,38.275
  Top Layer w0.4: 88.025,38.275 93.5,38.275 v1(93.925,38.7)
  Bottom Layer w0.4: v1(93.925,38.7) 99.8,38.7 106.1,32.4 112.625,32.4 113.525,31.5 R49.2@115.9,31.5 ; R49.2@116.15,31.25 R49.2@115.9,31.5 ; R49.2@116.15,31.5 R49.2@115.9,31.5
GPIO43: D1.50 R73.1 | length 69.3
  Top Layer w0.32: v2@47.375,39.2 48.725,37.85 72.275,37.85 77.15,32.975 R73.1@77.15,26.875
  Top Layer w0.4: v2(33.15,51.525) 33.15,54.048 D1.50@38.804,59.701
  Bottom Layer w0.32: v2(33.15,51.525) 35.175,51.525 45.2,41.5 45.2,39.925 46.025,39.1 v2(47.375,39.1)
GPIO52: D1.49 R11.1 | length 80.1
  Top Layer w0.4: v2(32.875,47.725) 32.875,48.675 34.325,50.125 34.325,53.808 D1.49@39.511,58.994 ; v1(40.55,35.075) 40.55,29.375 45.475,24.45 45.475,19.3 48.5,16.275 52.225,16.275 55.175,13.325 62.025,13.325 62.775,14.075 62.775,15.7 63.8,16.725 67.575,16.725 67.9,16.4 R11.1@71.25,16.4
  Bottom Layer w0.27: 38.425,39.575 39.7,38.3 39.7,35.756 40.381,35.075 v1(40.55,35.075)
  Bottom Layer w0.3: v2(32.875,47.725) 34.35,47.725 35.375,46.7 35.375,41.4 37.2,39.575 38.425,39.575
GPIO77: D1.87 D4.3 | length 72.5
  Top Layer w0.32: v2(48.425,42.225) 48.575,42.075 73.925,42.075 78.37,37.63 81.125,37.63 D4.3@81.13,37.625
  Top Layer w0.4: D1.87@24.52,67.48 25.4,66.6 v2(25.4,60.525)
  Bottom Layer w0.32: v2(25.4,60.525) 26.7,60.525 32.5,54.725 33.675,54.725 34.775,53.625 36.6,53.625 45.725,44.5 46.15,44.5 v2(48.425,42.225)
GPIO77_3V3: D4.12 DD1.32 | length 33.9
  Top Layer w0.32: D4.12@86.87,37.625 88.025,37.625
  Top Layer w0.4: 88.025,37.625 97.15,37.625 v1(97.175,37.6)
  Bottom Layer w0.3: 105.7,28.413 109.447,24.525 DD1.32@113.5,24.525
  Bottom Layer w0.4: v1(97.175,37.6) 99.6,37.6 105.7,31.5 105.7,28.413
I2C1_SCL: DD1.42
I2C1_SDA: DD1.43
I2C2_SCL: DD1.21 X12.15 | length 29.1
  Bottom Layer w0.3: DD1.21@116.3,19.725 116.3,15.725 124.475,7.55 135.05,7.55 X12.15@137.16,5.44
I2C2_SDA: DD1.22 X12.16 | length 31.5
  Bottom Layer w0.3: DD1.22@115.8,19.725 115.8,15.425 124.225,7 134.2,7 135.375,5.825 135.375,4.925 137.16,3.14 X12.16@137.16,2.9
I2C_SCL: D1.55 D2.11 R20.1 TP4.1 VT8.2 | length 84.1
  Top Layer w0.32: v2(48.675,39.8) 72.775,39.8 78.975,33.6 VT8.2@78.975,29.95
  Top Layer w0.4: v2(31.377,59.358) 31.39,59.358 D1.55@35.268,63.237 36.131,64.1 41.15,64.1 TP4.1@41.4,63.85
  Bottom Layer w0.24: D2.11@49.82,35.421 49.82,36.28
  Bottom Layer w0.25: v2@31.377,59.198 v2(31.377,59.358) ; v2(48.675,39.8) 48.675,37.425 49.82,36.28
  Bottom Layer w0.3: v2(48.675,39.8) 48.675,40.825 50.8,42.95
  Bottom Layer w0.4: v2@31.377,59.198 35.525,55.05 37.775,55.05 46.875,45.95 48.26,45.95 50.8,43.41 50.8,42.95
I2C_SDA: D1.56 D2.12 R21.1 TP5.1 VT9.2 | length 88.7
  Top Layer w0.3: 78.075,29.125 78.45,28.75 82.375,28.75 82.59,28.965 VT9.2@82.59,29.95
  Top Layer w0.32: v2(49.725,38.9) 72.525,38.9 78.075,33.35 78.075,29.125
  Top Layer w0.4: v2(32.027,61.484) 32.101,61.484 D1.56@34.561,63.944 35.442,64.825 40.25,64.825 TP5.1@41.45,66.025
  Bottom Layer w0.24: v2(49.725,38.9) 49.725,37.9 50.32,37.305 D2.12@50.32,35.421
  Bottom Layer w0.3: v2(49.725,38.9) 49.725,40.85 51.75,42.875
  Bottom Layer w0.4: v2(32.027,61.484) 32.226,61.484 37.81,55.9 40.05,55.9 51.75,44.2 51.75,42.875
LCD_BCKLT: R75.1 VT10.3 | length 20.6
  Top Layer w0.4: VT10.3@83.375,24.3 VT10.3@83.3,24.225 89.025,24.225 89.85,25.05 v1(89.85,25.475)
  Bottom Layer w0.4: v1(89.85,25.475) 89.875,25.475 96.05,19.3 v1(100.5,19.3)
LCD_D4: D8.9 X7.2 | length 4.4
  Top Layer w0.4: v1(100.625,17.225) 103.055,17.225 X7.2@103.38,16.9
  Bottom Layer w0.4: v1(100.625,17.225) 101.763,17.225 101.83,17.292 D8.9@101.83,17.575
LCD_D5: D8.10 X7.4 | length 9.7
  Top Layer w0.4: v1(101.888,19.975) 105.475,19.975 105.85,19.6 105.85,16.97 X7.4@105.92,16.9
  Bottom Layer w0.4: v1(101.888,19.975) 103.1,18.762 D8.10@103.1,17.575
LCD_D6: D8.11 X7.6 | length 13
  Top Layer w0.4: v1(102.775,20.95) 107.15,20.95 108.46,19.64 X7.6@108.46,16.9
  Bottom Layer w0.4: v1(102.775,20.95) 104.37,19.355 D8.11@104.37,17.575
LCD_D7: D8.12 X7.8 | length 15.9
  Top Layer w0.4: v1(103.775,21.9) 108.65,21.9 110.9,19.65 110.9,17 X7.8@111,16.9
  Bottom Layer w0.4: v1(103.775,21.9) 105.64,20.035 D8.12@105.64,17.575
LCD_E: D8.6 X7.5 | length 10.9
  Top Layer w0.4: v1(107.175,13.85) 107.175,13.835 108.46,12.55 X7.5@108.46,10.7
  Bottom Layer w0.4: D8.6@104.37,7.775 104.37,11.045 v1(107.175,13.85)